# Altium PCB LimeNet-Micro_2v1.PcbDoc (part 1 of 11) (continued)
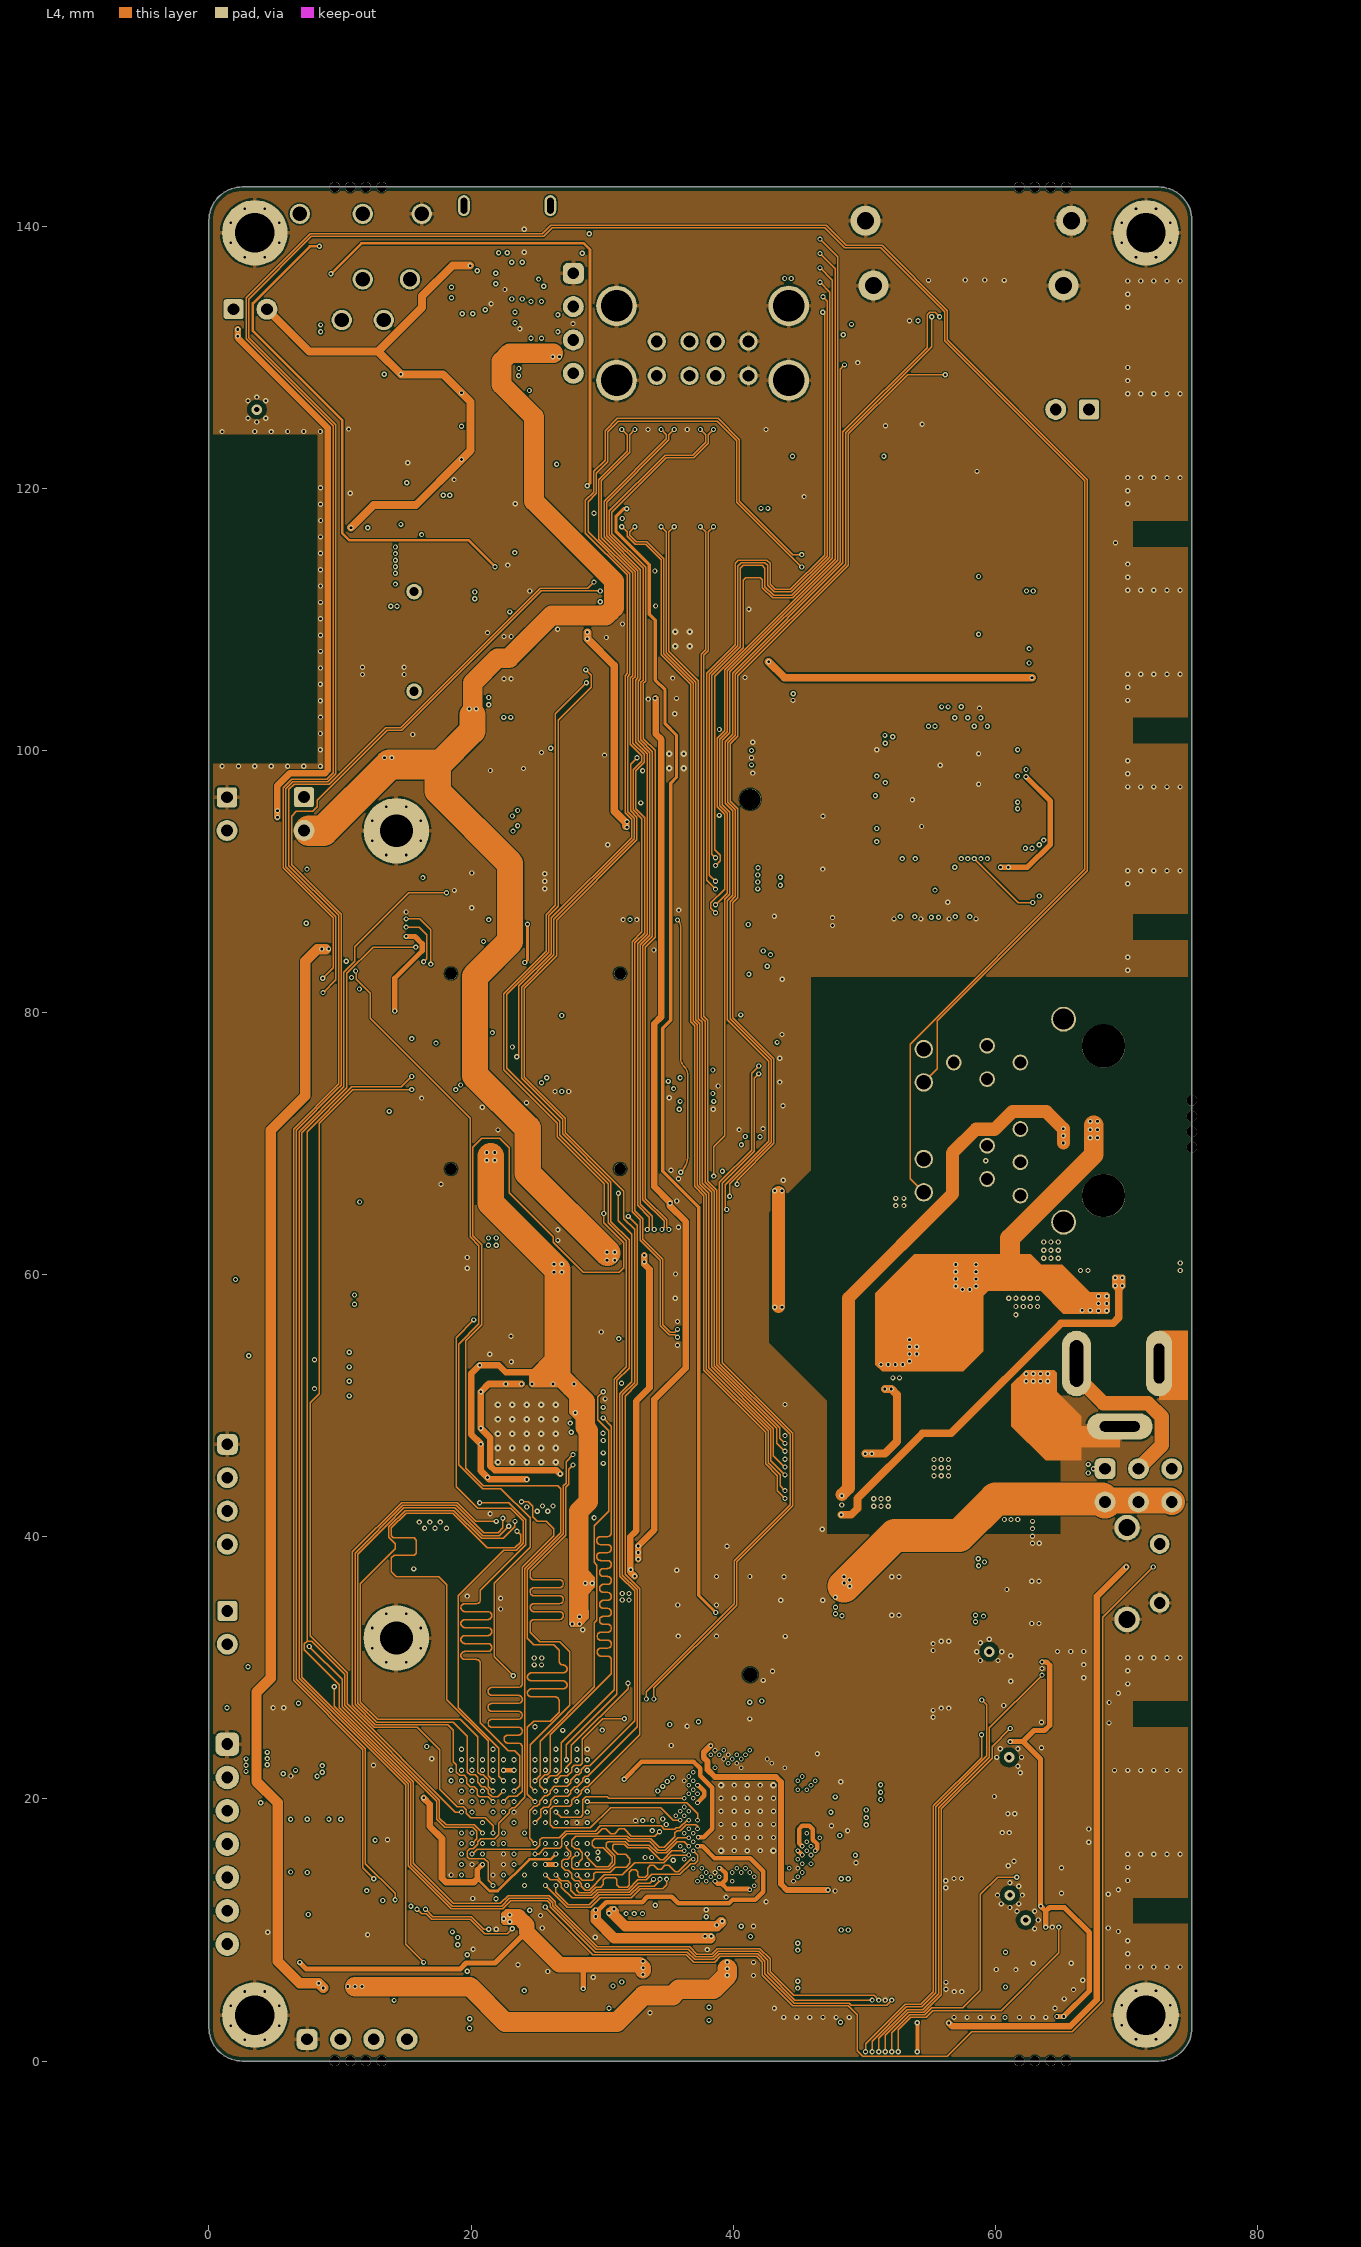
[diagram p4: L4]
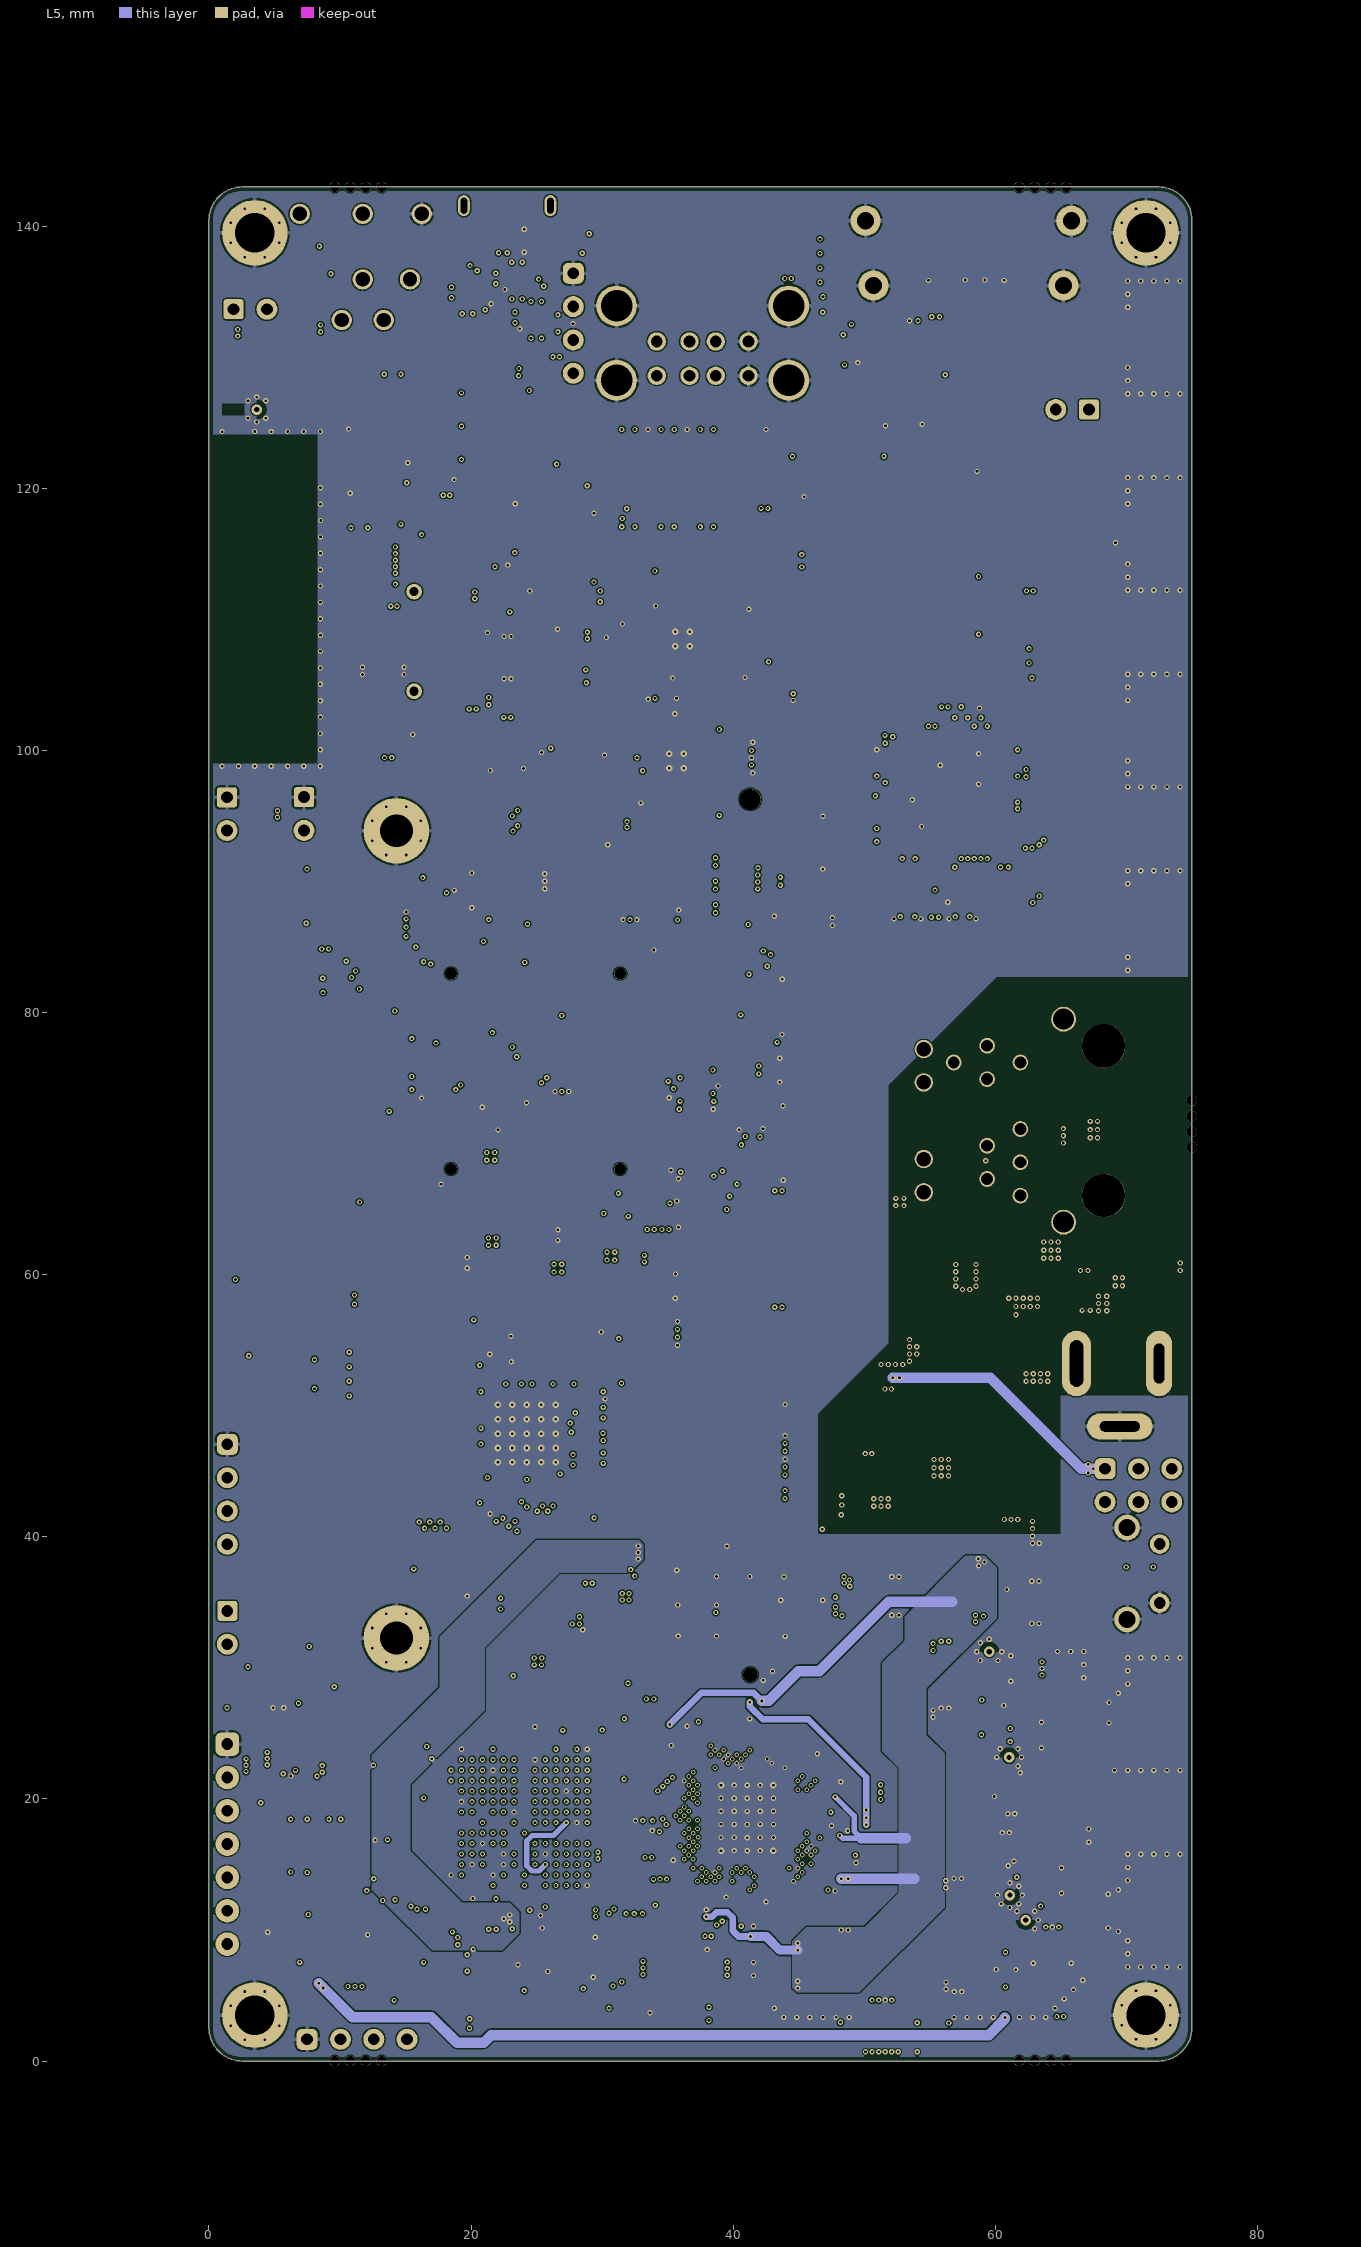
[diagram p5: L5]

## Layer stack, top to bottom
TopSolder: solder mask 0.0102, Solder Resist, Dk 3.5
Top: signal copper 0.0178
Dielectric1: core 0.173, FR-4, Dk 4.8
L2: signal copper 0.0356
Dielectric2: prepreg 0.65, Dk 4.2
L3: signal copper 0.036
Dielectric 4: core 0.2, Dk 4.2
L4: signal copper 0.036
Dielectric 5: prepreg 0.127, Dk 4.2
L5: signal copper 0.036
Dielectric3: core 0.254, FR-4, Dk 4.2
Bottom: signal copper 0.0178
BottomSolder: solder mask 0.0102, Solder Resist, Dk 3.5

## Board outline
0,2.54 ccw(c2.54,2.54) 2.54,0 72.46,0 ccw(c72.46,2.54) 75,2.54 75,140.46 ccw(c72.46,140.46) 72.46,143 2.54,143 ccw(c2.54,140.46) 0,140.46

## Design rules (kind name [scope] priority, off if disabled: settings)
BoardOutlineClearance [All] p1: gap=0.3 ignorepadtopadclearanceinfootprint=FALSE
Clearance [All] p1: gap=0.1 ignorepadtopadclearanceinfootprint=FALSE except(0: Arc-Hole Track-Hole SMDPad-Hole THPad-Hole Via-Hole Fill-Hole Poly-Hole Region-Hole Text-Hole)
ComponentClearance ComponentClearance_CLK_shield [HasFootprint('RFI_SHIELD_BMI-S-230-F-R')] p1: gap=-1 collisioncheckmode=3 verticalgap=2540 showdistances=FALSE
ComponentClearance ComponentClearance_PINHEADERS [InComponent('J27') vs InComponent('J28')] p2: gap=-1 collisioncheckmode=3 verticalgap=2540 showdistances=FALSE
ComponentClearance ComponentClearance_SWITCH [HasFootprint('SW_4WAY_SMD_1P27_v2')] p3: gap=-1 collisioncheckmode=3 verticalgap=2540 showdistances=FALSE
ComponentClearance ComponentClearance_EEPROM1 [InComponent('IC2') vs InComponent('IC3')] p4: gap=-1 collisioncheckmode=3 verticalgap=2540 showdistances=FALSE
ComponentClearance ComponentClearance_EEPROM2 [InComponent('IC16') vs InComponent('IC18')] p5: gap=-1 collisioncheckmode=3 verticalgap=2540 showdistances=FALSE
ComponentClearance ComponentClearance_EEPROM3 [InComponent('IC12') vs InComponent('IC14')] p6: gap=-1 collisioncheckmode=3 verticalgap=2540 showdistances=FALSE
ComponentClearance ComponentClearance_AUTHENTICATION [InComponent('IC21') vs InComponent('IC20')] p7: gap=-1 collisioncheckmode=3 verticalgap=2540 showdistances=FALSE
ComponentClearance ComponentClearance_CLK_jumpers [InComponent('R171') or InComponent('R162') or InComponent('R174') vs InComponent('R171') or InComponent('R162') or InComponent('R174')] p8: gap=-1 collisioncheckmode=3 verticalgap=2540 showdistances=FALSE
ComponentClearance [All] p9: gap=0.01 collisioncheckmode=3 verticalgap=0.254 showdistances=FALSE
DiffPairsRouting DiffPairsRouting_HDMI [InNetClass('RAPI_HDMI')] p1: maxlimit=0.3 minlimit=0.1 mostfreqgap=0.14 toplayer_minwidth=0.2 toplayer_maxwidth=0.2 toplayer_prefwidth=0.2 midlayer1_minwidth=0.2 midlayer1_maxwidth=0.2 midlayer1_prefwidth=0.2 midlayer2_minwidth=0.2 midlayer2_maxwidth=0.2 midlayer2_prefwidth=0.2 midlayer3_minwidth=0.2 midlayer3_maxwidth=0.2 midlayer3_prefwidth=0.2 midlayer4_minwidth=0.2 midlayer4_maxwidth=0.2 midlayer4_prefwidth=0.2 bottomlayer_minwidth=0.2 bottomlayer_maxwidth=0.2 bottomlayer_prefwidth=0.2 maxuncoupledlength=5
DiffPairsRouting DiffPairsRouting_TX_RF [InNetClass('TX_RF')] p2: maxlimit=0.3 minlimit=0.1 mostfreqgap=0.14 toplayer_minwidth=0.1 toplayer_maxwidth=0.3 toplayer_prefwidth=0.2 midlayer1_minwidth=0.1 midlayer1_maxwidth=0.3 midlayer1_prefwidth=0.2 midlayer2_minwidth=0.1 midlayer2_maxwidth=0.3 midlayer2_prefwidth=0.2 midlayer3_minwidth=0.1 midlayer3_maxwidth=0.3 midlayer3_prefwidth=0.2 midlayer4_minwidth=0.1 midlayer4_maxwidth=0.3 midlayer4_prefwidth=0.2 bottomlayer_minwidth=0.1 bottomlayer_maxwidth=0.3 bottomlayer_prefwidth=0.2 maxuncoupledlength=0.2
DiffPairsRouting DiffPairsRouting_RX_RF [InNetClass('RX_RF')] p3: maxlimit=0.3 minlimit=0.1 mostfreqgap=0.14 toplayer_minwidth=0.1 toplayer_maxwidth=0.3 toplayer_prefwidth=0.2 midlayer1_minwidth=0.1 midlayer1_maxwidth=0.3 midlayer1_prefwidth=0.2 midlayer2_minwidth=0.1 midlayer2_maxwidth=0.3 midlayer2_prefwidth=0.2 midlayer3_minwidth=0.1 midlayer3_maxwidth=0.3 midlayer3_prefwidth=0.2 midlayer4_minwidth=0.1 midlayer4_maxwidth=0.3 midlayer4_prefwidth=0.2 bottomlayer_minwidth=0.1 bottomlayer_maxwidth=0.3 bottomlayer_prefwidth=0.2 maxuncoupledlength=0.2
DiffPairsRouting [All] p4: maxlimit=0.3 minlimit=0.1 mostfreqgap=0.1 toplayer_minwidth=0.1 toplayer_maxwidth=0.5 toplayer_prefwidth=0.2 midlayer1_minwidth=0.1 midlayer1_maxwidth=0.5 midlayer1_prefwidth=0.2 midlayer2_minwidth=0.1 midlayer2_maxwidth=0.5 midlayer2_prefwidth=0.2 midlayer3_minwidth=0.1 midlayer3_maxwidth=0.5 midlayer3_prefwidth=0.2 midlayer4_minwidth=0.1 midlayer4_maxwidth=0.5 midlayer4_prefwidth=0.2 bottomlayer_minwidth=0.1 bottomlayer_maxwidth=0.5 bottomlayer_prefwidth=0.2 maxuncoupledlength=12.7
FabricationTestPointUsage TestPointUsage [All] p1: valid=0 allowmultiple=FALSE
FabricationTestpoint Testpoint [All] p1: side=3 testpointundercomponent=TRUE minsize=1.016 maxsize=2.54 preferedsize=1.524 minholesize=0.508 maxholesize=1.016 preferedholesize=0.813 testpointgrid=0.025 allowsidetop=TRUE allowsidebottom=TRUE usegrid=TRUE gridtolerance=0
HoleSize [All] p1: absolutevalues=TRUE maxlimit=10 minlimit=0.2 maxpercent=80.000 minpercent=20.000
HoleToHoleClearance [All] p1: gap=0.15 allowstackedmicrovias=TRUE
MatchedLengths MatchedLengths_FT_FIFO [InNetClass('FT_FIFO')] p1: tolerance=1.6 checknetsindiffpair=FALSE checkdiffpairvsdiffpair=TRUE checkxsignals=TRUE checkothers=TRUE
MatchedLengths MatchedLengths_RAPI_SDX [InNetClass('RAPI_SDX')] p2: tolerance=1.6 checknetsindiffpair=FALSE checkdiffpairvsdiffpair=TRUE checkxsignals=TRUE checkothers=TRUE
MatchedLengths MatchedLengths_RAPI_SPI0 [InNetClass('RAPI_SPI0')] p3: tolerance=1.6 checknetsindiffpair=FALSE checkdiffpairvsdiffpair=TRUE checkxsignals=TRUE checkothers=TRUE
MatchedLengths MatchedLengths_RAPI_SPI1 [InNetClass('RAPI_SPI1')] p4: tolerance=1.6 checknetsindiffpair=FALSE checkdiffpairvsdiffpair=TRUE checkxsignals=TRUE checkothers=TRUE
MatchedLengths MatchedLengths_LMS_PORT1 [InNetClass('LMS_PORT1')] p5: tolerance=1 checknetsindiffpair=FALSE checkdiffpairvsdiffpair=TRUE checkxsignals=TRUE checkothers=TRUE // tolerance increased due to MCLK being longer
MatchedLengths MatchedLengths_LMS_PORT2 [InNetClass('LMS_PORT2')] p6: tolerance=10 checknetsindiffpair=FALSE checkdiffpairvsdiffpair=TRUE checkxsignals=TRUE checkothers=TRUE // tolerance increased due to TNRX2 being longer
MinimumSolderMaskSliver [All] p1: minsoldermaskwidth=0.099
PlaneClearance [All] p1: clearance=0
PolygonConnect PolygonConnect_GND_VIA [InNet('GND') and isvia] p1: connectstyle=Direct reliefconductorwidth=0.254 reliefentries=4 polygonreliefangle="90 Angle" airgapwidth=0.254
PolygonConnect PolygonConnect_GND [InNet('GND')] p2: connectstyle=Relief reliefconductorwidth=0.3 reliefentries=4 polygonreliefangle="90 Angle" airgapwidth=0.15
PolygonConnect PolygonConnect_VCC3P3 [InNet('VCC3P3')] p3: connectstyle=Direct reliefconductorwidth=0.254 reliefentries=4 polygonreliefangle="90 Angle" airgapwidth=0.254
PolygonConnect PolygonConnect_VCC3P3_2 [InNet('VCC3P3_2')] p4: connectstyle=Direct reliefconductorwidth=0.254 reliefentries=4 polygonreliefangle="90 Angle" airgapwidth=0.254
PolygonConnect PolygonConnect_VCC5P0 [InNet('VCC5P0')] p5: connectstyle=Direct reliefconductorwidth=0.254 reliefentries=4 polygonreliefangle="90 Angle" airgapwidth=0.254
PolygonConnect PolygonConnect_VCC1P8_LMS [InNetClass('VCC1P8_LMS')] p6: connectstyle=Direct reliefconductorwidth=0.254 reliefentries=4 polygonreliefangle="90 Angle" airgapwidth=0.254
PolygonConnect PolygonConnect_VCC1P8 [InNet('VCC1P8')] p7: connectstyle=Direct reliefconductorwidth=0.254 reliefentries=4 polygonreliefangle="90 Angle" airgapwidth=0.254
PolygonConnect PolygonConnect_VCC1P4_LMS [InNetClass('VCC1P4_LMS')] p8: connectstyle=Direct reliefconductorwidth=0.254 reliefentries=4 polygonreliefangle="90 Angle" airgapwidth=0.254
PolygonConnect PolygonConnect_VCC1P25_LMS [InNetClass('VCC1P25_LMS')] p9: connectstyle=Direct reliefconductorwidth=0.254 reliefentries=4 polygonreliefangle="90 Angle" airgapwidth=0.254
PolygonConnect [All] p10: connectstyle=Relief reliefconductorwidth=0.254 reliefentries=4 polygonreliefangle="90 Angle" airgapwidth=0.254
RoutingVias [All] p1: holewidth=0.2 width=0.4 viastyle="Through Hole" minholewidth=0.2 minwidth=0.31 maxholewidth=4.5 maxwidth=5
SilkToSilkClearance [All] p1: silktosilkclearance=0.1
SilkToSolderMaskClearance SilkscreenOverComponentPads [IsPad] p1: minsilkscreentomaskgap=0.254 clearancetoexposedcopper=TRUE
SolderMaskExpansion [All] p1: expansion=0.05
Width Width_ClumsyConnection [All] p1: maxlimit=7 minlimit=0.1 preferedwidth=0.2 checkconnectedcopper=TRUE
Width [All] p2: maxlimit=5 minlimit=0.1 preferedwidth=0.2
20 further rules are at their usual default settings.

## Classes and differential pairs
net class RAPI_SPI1: RAPI_SPI1_CE0 RAPI_SPI1_MISO RAPI_SPI1_MOSI RAPI_SPI1_SCLK
net class RAPI_SD1: NetJ13_52 RAPI_SD1_CLK RAPI_SD1_CMD RAPI_SD1_D0 RAPI_SD1_D1 RAPI_SD1_D2 RAPI_SD1_D3
net class RAPI_GPIO: CAM1_GPIO0 CAM1_GPIO1 RAPI_GPIO12 RAPI_I2C0_SCL RAPI_I2C0_SDA RAPI_I2C1_SCL RAPI_I2C1_SDA RAPI_UART0_RX RAPI_UART0_TX RAPI_UART1_RX RAPI_UART1_TX WIFI_RST
net class VCC3P3_LMK2: VCC3P3_LMK2
net class RF_CTRL: RFSW_RX_V1 RFSW_RX_V2 RFSW_RXI_V1 RFSW_TX_V1 RFSW_TX_V2 RFSW_TXO_V1
net class VD10_FT: VD10_FT
net class RAPI_HDMI: HDMI_CEC HDMI_CLK_N HDMI_CLK_P HDMI_D0_N HDMI_D0_P HDMI_D1_N HDMI_D1_P HDMI_D2_N HDMI_D2_P HDMI_I2C_SCL HDMI_I2C_SDA
net class RAPI_DSI1: DSI1_CLK_N DSI1_CLK_P DSI1_D0_N DSI1_D0_P DSI1_D1_N DSI1_D1_P
net class RAPI_CAM1: CAM1_CLK_N CAM1_CLK_P CAM1_D0_N CAM1_D0_P CAM1_D1_N CAM1_D1_P
net class FT_FIFO: FT_BE0 FT_BE1 FT_BE2 FT_BE3 FT_CLK FT_D0 FT_D1 FT_D2 FT_D3 FT_D4 FT_D5 FT_D6 FT_D7 FT_D8 FT_D9 FT_D10 FT_D11 FT_D12 FT_D13 FT_D14 FT_D15 FT_D16 FT_D17 FT_D18 FT_D19 FT_D20 FT_D21 FT_D22 FT_D23 FT_D24 FT_D25 FT_D26 FT_D27 FT_D28 FT_D29 FT_D30 FT_D31 FT_OEn FT_RDn FT_RXFn FT_TXEn FT_WRn
net class AVDD_FT: AVDD_FT
component class 11_USB_FIFO: C179 C180 C181 C182 C183 C184 C185 C186 C187 C188 C189 C190 C191 C192 C193 C194 C195 C196 C197 C198 C199 C200 C201 C202 FR39 IC27 R102 R103 R104 R105 R106 R107 R108 XT2
component class 13_Raspberry_Misc: C212 C213 C214 C215 C216 C217 C218 C219 C220 C221 C222 C223 C224 C225 C226 C227 C228 C229 C230 C231 C232 C233 C234 ESD4 FR40 FR41 IC28 IC29 IC30 IC31 IC32 IC33 J15 J16 J17 J18 J19 J20 J21 J22 J23 R135 R136 R137 R138 R139 R140 R141 R142 R143 R144 R145 R146 R147 R148 R149 R150 R151 R152 R153 R154 R155 R156 R157 R158 R159 R160 VD1 VD2 VT5 VT6 VT7
net class GNSS_MISC: "GNSS _UART_TX" GNSS_TPULSE GNSS_UART_RX GNSS_USB_D_N GNSS_USB_D_P GNSS_USB_VDD
net class RAPI_SPI0: RAPI_SPI0_CE0 RAPI_SPI0_MISO RAPI_SPI0_MOSI RAPI_SPI0_SCLK
net class ETH_GPIO: ETH_AUTOMDIX_EN ETH_GPIO0 ETH_GPIO1 ETH_GPIO2 ETH_NRESET
component class 05_LMS7002M_Misc: C1 C2 FL1 IC1 IC2 IC3 MECH2 R1 R2 R3 R4 R5 R6 R7 R8 R9 R10 R11 R12 R13
component class 06_LMS7002M_RF: C3 C4 C5 C6 C7 C8 C9 C10 C11 C12 C13 C14 C15 C16 C17 C18 C19 C20 C21 C22 C23 C24 C25 C26 C27 C28 C29 C30 C31 C32 C33 C34 C35 C36 C37 C38 ESD1 ESD2 IC4 IC5 IC6 IC7 IC8 IC9 IC10 IC11 IC? J1 J2 MECH1 MECH3 MN1 MN2 MN3 MN4 MN5 MN6 MN7 MN8 MN9 MN10 MN11 MN12 MN13 MN14 MN15 MN16 MN17 MN18 MN19 MN20 MN21 MN22 MN23 MN24 MN25 MN26 MN27 MN28 T1 T2 T3 T4
component class "12_Raspbbery CM3": C203 C204 C205 C206 C207 C208 C209 C210 C211 FL3 J13 J14 R109 R110 R111 R112 R113 R114 R115 R116 R117 R118 R119 R120 R121 R122 R123 R124 R125 R126 R127 R128 R129 R130 R131 R132 R133 R134 VT3 VT4
component class 07_LMS7002M_Power: C39 C40 C41 C42 C43 C44 C45 C46 C47 C48 C49 C50 C51 C52 C53 C54 C55 C56 C57 C58 C59 C60 C61 C62 C63 C64 C65 C66 C67 C68 C69 C70 C71 C72 C73 C74 C75 C76 C77 C78 C79 C80 C81 C82 C83 C84 C85 C86 C87 C88 C89 C90 C91 C92 C93 C94 C95 C96 C97 FR1 FR2 FR3 FR4 FR5 FR6 FR7 FR8 FR9 FR10 FR11 FR12 FR13 FR14 FR15 FR16 FR17 FR18 FR19 FR20 FR21 FR22 FR23 FR24 FR25 FR26 FR27 FR28 FR29 FR30 FR31 FR32 FR33 FR34 R14 R15 R16 R17 R18 R19 R20 R21 R22 R23 R24 R25
component class 08_FPGA: C98 C99 C100 C101 C102 C103 C104 C105 C106 C107 C108 C109 C110 C111 C112 C113 C114 C115 C116 C117 C118 C119 C120 C121 C122 C123 C124 C125 C126 C127 C128 C129 C130 C131 FR35 IC12 J3 J4 J5 R26 R27 R28 R29 R30 R31 R32 R33 R34 R35 R36 R37 R38 R39 R40 R41 R42
component class 10_USB_Ethernet: C149 C150 C151 C152 C153 C154 C155 C156 C157 C158 C159 C160 C161 C162 C163 C164 C165 C166 C167 C168 C169 C170 C171 C172 C173 C174 C175 C176 C177 C178 FL2 FR37 FR38 IC24 IC25 IC26 J9 J10 J11 J12 R77 R78 R79 R80 R81 R82 R83 R84 R85 R86 R87 R88 R89 R90 R91 R92 R93 R94 R95 R96 R97 R98 R99 R100 R101 XT1
component class 09_Misc: C132 C133 C134 C135 C136 C137 C138 C139 C140 C141 C142 C143 C144 C145 C146 C147 C148 ESD3 FAN1 FR36 IC13 IC14 IC15 IC16 IC17 IC18 IC19 IC20 IC21 IC22 IC23 J6 J7 J8 L1 LED1 LED2 LED3 LED4 LED5 LED6 LS1 MECH9 MECH15 R43 R44 R45 R46 R47 R48 R49 R50 R51 R52 R53 R54 R55 R56 R57 R58 R59 R60 R61 R62 R63 R64 R65 R66 R67 R68 R69 R70 R71 R72 R73 R74 R75 R76 SB1 VT1 VT2
component class 14_Clocks: C235 C236 C237 C238 C239 C240 C241 C242 C243 C244 C245 C246 C247 C248 C249 C250 C251 C252 C253 C254 C255 C256 C257 C258 C259 C260 C261 C262 C263 C264 C265 C266 C267 C268 C269 C270 C271 C272 C273 C274 C275 C276 C277 C278 C279 C280 C281 C282 C283 C284 FR42 FR43 FR44 FR45 FR46 FR47 IC34 IC35 IC36 IC37 J24 J25 MECH4 R161 R162 R163 R164 R165 R166 R167 R168 R169 R170 R171 R172 R173 R174 R175 R176 R177 R178 R179 R180 R181 R182 R183 R184 R185 R186 R187 R188 R189 R190 R191 R192 R193 R194 R195 R196 R197 R198 XO1 XO2 XO3 XO4
component class 15_PowerSupply: AT1 BR1 BR2 C285 C286 C287 C288 C289 C290 C291 C292 C293 C294 C295 C296 C297 C298 C299 C300 C301 C302 C303 C304 C305 C306 C307 C308 C309 C310 C311 C312 C313 C314 C315 C316 C317 C318 C319 C320 C321 C322 C323 C324 C325 C326 C327 C328 C329 C330 C918 D1 D2 D3 D4 D5 D6 D7 F1 F2 F3 F4 F5 F6 F7 F8 FR48 FR49 FR50 FR51 FR52 FR53 FR54 FR55 IC38 IC39 IC40 IC41 IC42 IC43 IC44 IC45 IC46 J26 J27 J28 L2 L3 MECH5 MECH6 MECH7 MECH8 R199 R200 R201 R202 R203 R204 R205 R206 R207 R208 R209 R210 R211 R212 R213 R214 R215 R216 R217 R218 R219 R220 R221 R222 R223 R224 R225 R226 R227 R228 R229 R230 R231 R232 R233 R234 R235 R236 R237 R238 R239 R240 R241 R247 T5 VD3 VD4 VT8 VT9 VT10
net class +1.8V_DIG_LMK: +1.8V_DIG_LMK
net class BOM_VER: BOM_VER0 BOM_VER1 BOM_VER2 BOM_VER3
net class CLK_PATH: NetC235_1 NetC235_2 NetC236_2 NetIC34_3 NetIC34_5 NetR171_2 NetR174_1 REF_CLK_IN RXPLL_CLK TXPLL_CLK
net class FPGA_GPIO: FPGA_GPIO0 FPGA_GPIO1 FPGA_GPIO2 FPGA_GPIO3 FPGA_GPIO4 FPGA_GPIO5 FPGA_GPIO6 FPGA_GPIO7
net class FPGA_JTAG: FPGA_JTAG_TCK FPGA_JTAG_TDI FPGA_JTAG_TDO FPGA_JTAG_TMS NetJ7_7
net class FPGA_LEDS: FPGA_LED1_G FPGA_LED1_R FPGA_LED2_G FPGA_LED2_R FPGA_LED3_G FPGA_LED3_R FPGA_LED4_G FPGA_LED4_R FPGA_LED5_G FPGA_LED5_R
net class FPGA_SPI_LMS: FPGA_SPI_LMS_SS FPGA_SPI_MISO FPGA_SPI_MOSI FPGA_SPI_SCLK NetC1_1 NetIC1_D28 NetIC1_F28 NetIC1_F30
net class LMS_I2C: LMS_I2C_SCL LMS_I2C_SDA
net class LMS_PORT1: LMS_DIQ1_D0 LMS_DIQ1_D1 LMS_DIQ1_D2 LMS_DIQ1_D3 LMS_DIQ1_D4 LMS_DIQ1_D5 LMS_DIQ1_D6 LMS_DIQ1_D7 LMS_DIQ1_D8 LMS_DIQ1_D9 LMS_DIQ1_D10 LMS_DIQ1_D11 LMS_ENABLE_IQSEL1 LMS_FCLK1 LMS_MCLK1 LMS_TXNRX1
net class LMS_PORT2: LMS_DIQ2_D0 LMS_DIQ2_D1 LMS_DIQ2_D2 LMS_DIQ2_D3 LMS_DIQ2_D4 LMS_DIQ2_D5 LMS_DIQ2_D6 LMS_DIQ2_D7 LMS_DIQ2_D8 LMS_DIQ2_D9 LMS_DIQ2_D10 LMS_DIQ2_D11 LMS_ENABLE_IQSEL2 LMS_FCLK2 LMS_MCLK2 LMS_TXNRX2
net class RX_RF: RX1_H_A_N RX1_H_A_P RX1_H_B_N RX1_H_B_P RX2_L_A_N RX2_L_A_P RX2_L_B_N RX2_L_B_P
net class TX_RF: TX1_1_A_N TX1_1_A_P TX1_1_B_N TX1_1_B_P TX2_1_A_N TX2_1_A_P TX2_1_B_N TX2_1_B_P
net class uSD_CARD: RAPI_SDX_CLK RAPI_SDX_CMD RAPI_SDX_D0 RAPI_SDX_D1 RAPI_SDX_D2 RAPI_SDX_D3
net class VCC1P4_LMS: VCC1P4_LMS
net class VCC1P8_LMS: VCC1P8_LMS
net class VCC1P25_LMS: VCC1P25_LMS
net class VCC3P3_CLK: VCC3P3_CLK
net class VCC3P3_LMK: VCC3P3_LMK
net class VCC3P3A: VCC3P3A
net class RAPI_MISC: NetR124_2 RAPI_EMMC_DISABLE RAPI_EMMC_EN RAPI_RUN
net class RAPI_SDX: RAPI_SDX_CLK RAPI_SDX_CMD RAPI_SDX_D0 RAPI_SDX_D1 RAPI_SDX_D2 RAPI_SDX_D3
net class VCC1P8: VCC1P8
net class VCC2P5: VCC2P5
net class VCC3P3_2: VCC3P3_2
net class VCC3P3: VCC3P3
net class VCC5P0: VCC5P0
differential pair RX2_L_B: +RX2_L_B_P -RX2_L_B_N
differential pair RX2_L_A: +RX2_L_A_P -RX2_L_A_N
differential pair EXTL_USB_D: +EXTL_USB_D_P -EXTL_USB_D_N
differential pair EXTI_USB_D: +EXTI_USB_D_P -EXTI_USB_D_N
differential pair ETHI_USB0_D: +ETHI_USB0_D_P -ETHI_USB0_D_N
differential pair HDMI_D2: +HDMI_D2_P -HDMI_D2_N
differential pair HDMI_D1: +HDMI_D1_P -HDMI_D1_N
differential pair HDMI_D0: +HDMI_D0_P -HDMI_D0_N
differential pair HDMI_CLK: +HDMI_CLK_P -HDMI_CLK_N
differential pair ETH_USB3_D: +ETH_USB3_D_P -ETH_USB3_D_N
differential pair ETH_USB2_D: +ETH_USB2_D_P -ETH_USB2_D_N
differential pair DSI1_D1: +DSI1_D1_P -DSI1_D1_N
differential pair DSI1_D0: +DSI1_D0_P -DSI1_D0_N
differential pair DSI1_CLK: +DSI1_CLK_P -DSI1_CLK_N
differential pair CAM1_D1: +CAM1_D1_P -CAM1_D1_N
differential pair CAM1_D0: +CAM1_D0_P -CAM1_D0_N
differential pair CAM1_CLK: +CAM1_CLK_P -CAM1_CLK_N
differential pair EXT_USB_D: +EXT_USB_D_P -EXT_USB_D_N
differential pair GNSS_USB_D: +GNSS_USB_D_P -GNSS_USB_D_N
differential pair ETH_RX: +ETH_RX_P -ETH_RX_N
differential pair ETH_TX: +ETH_TX_P -ETH_TX_N
differential pair ETH_USB0_D: +ETH_USB0_D_P -ETH_USB0_D_N
differential pair ETH_USB4_D: +ETH_USB4_D_P -ETH_USB4_D_N
differential pair ETH_USB5_D: +ETH_USB5_D_P -ETH_USB5_D_N
differential pair RAPI_USB_D: +RAPI_USB_D_P -RAPI_USB_D_N
differential pair RX1_H_A: +RX1_H_A_P -RX1_H_A_N
differential pair RX1_H_B: +RX1_H_B_P -RX1_H_B_N
differential pair TX1_1_A: +TX1_1_A_P -TX1_1_A_N
differential pair TX1_1_B: +TX1_1_B_P -TX1_1_B_N
differential pair TX2_1_A: +TX2_1_A_P -TX2_1_A_N
differential pair TX2_1_B: +TX2_1_B_P -TX2_1_B_N
